# Altium PCB GE21_M1_pku_f100.PcbDoc (part 15 of 19) (continued)
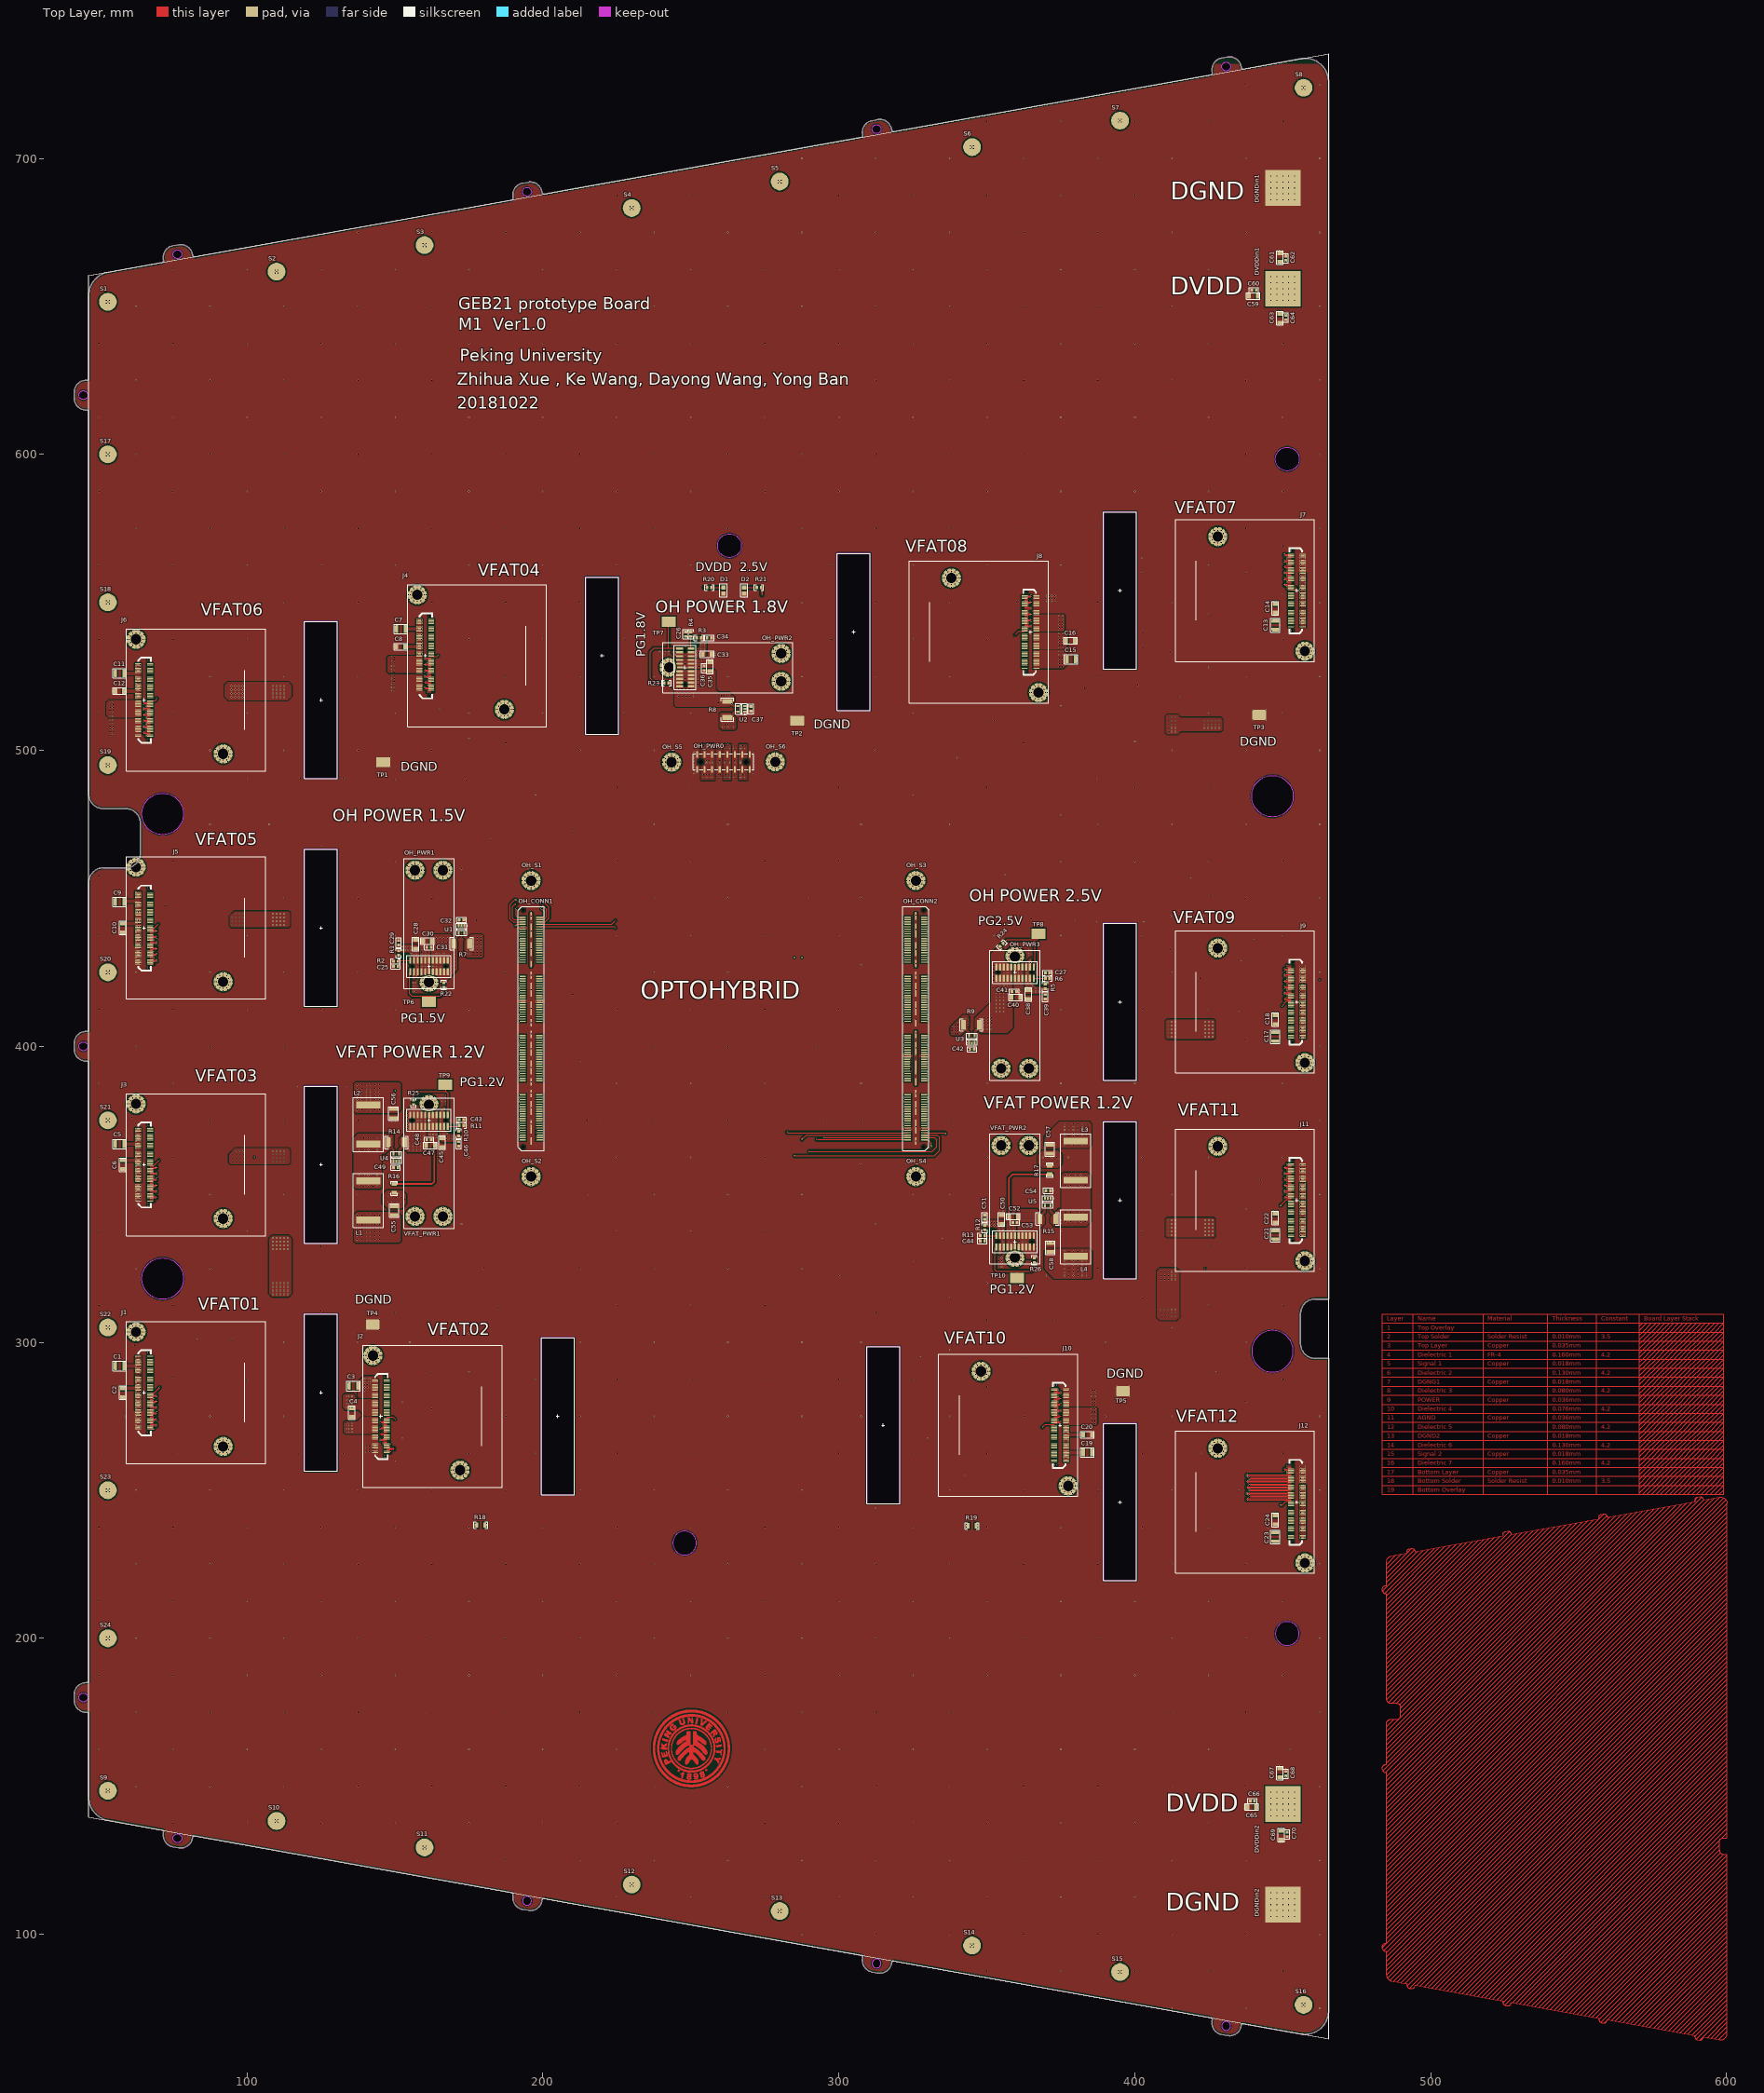
[diagram p0: Top Layer view]
## Nets (pads, with @x,y where several pads share a name; then routed paths per layer and width w, separated by ;. In a path a pad name is that pad's centre, name@x,y a point inside that pad or via, vN(x,y) a via of type N, cw(c..) or ccw(c..) an arc to the next point about the centre after c; other vN are vias at no path point) (continued)
255.563,161.307 ; 254.446,164.355 255.157,164.355 ; 254.446,167.936 254.776,167.936 ; 254.446,169.105 255.157,169.105 ; 254.446,171.746 255.081,171.746 ; 254.471,151.299 256.148,151.299 ; 254.471,161.256 255.563,161.256 ; 254.471,161.282 255.563,161.282 ; 254.471,164.33 255.132,164.33 ; 254.471,171.772 255.106,171.772 ; 254.471,172.864 255.843,172.864 ; 254.471,174.388 256.148,174.388 ; 254.497,152.823 255.843,152.823 ; 254.497,156.608 255.182,156.608 ; 254.497,157.776 254.801,157.776 ; 254.497,161.231 255.563,161.231 ; 254.497,167.911 254.801,167.911 ; 254.497,169.079 255.182,169.079 ; 254.497,171.797 255.132,171.797 ; 254.522,156.633 255.208,156.633 ; 254.522,157.802 254.827,157.802 ; 254.522,161.205 255.563,161.205 ; 254.522,164.304 255.132,164.304 ; 254.522,167.886 254.827,167.886 ; 254.522,169.054 255.208,169.054 ; 254.522,171.823 255.157,171.823 ; 254.547,151.325 256.198,151.325 ; 254.547,152.849 255.894,152.849 ; 254.547,156.659 255.259,156.659 ; 254.547,157.827 254.852,157.827 ; 254.547,161.18 255.538,161.18 ; 254.547,167.86 254.852,167.86 ; 254.547,169.029 255.259,169.029 ; 254.547,171.848 255.182,171.848 ; 254.547,172.839 255.894,172.839 ; 254.547,174.363 256.198,174.363 ; 254.573,157.853 254.878,157.853 ; 254.573,161.155 255.538,161.155 ; 254.573,164.279 255.106,164.279 ; 254.573,167.835 254.878,167.835 ; 254.573,171.873 255.208,171.873 ; 254.598,152.874 255.944,152.874 ; 254.598,156.684 255.284,156.684 ; 254.598,157.878 254.903,157.878 ; 254.598,161.129 255.513,161.129 ; 254.598,167.809 254.903,167.809 ; 254.598,169.003 255.284,169.003 ; 254.598,171.899 255.233,171.899 ; 254.598,172.813 255.919,172.813 ; 254.624,151.35 256.249,151.35 ; 254.624,156.71 255.309,156.71 ; 254.624,157.903 254.928,157.903 ; 254.624,161.104 255.487,161.104 ; 254.624,164.253 255.081,164.253 ; 254.624,167.784 254.928,167.784 ; 254.624,168.978 255.309,168.978 ; 254.624,171.924 255.259,171.924 ; 254.624,174.337 256.249,174.337 ; 254.649,152.9 255.97,152.9 ; 254.649,156.735 255.335,156.735 ; 254.649,157.929 254.979,157.929 ; 254.649,161.078 255.487,161.078 ; 254.649,167.759 254.979,167.759 ; 254.649,168.952 255.335,168.952 ; 254.649,171.95 255.259,171.95 ; 254.649,171.975 255.259,171.975 ; 254.649,172.788 255.97,172.788 ; 254.674,151.376 256.3,151.376 ; 254.674,161.053 255.462,161.053 ; 254.674,164.228 255.055,164.228 ; 254.674,167.733 255.005,167.733 ; 254.674,174.312 256.3,174.312 ; 254.7,156.76 255.36,156.76 ; 254.7,157.954 255.005,157.954 ; 254.7,161.028 255.436,161.028 ; 254.7,167.708 255.03,167.708 ; 254.7,168.927 255.36,168.927 ; 254.7,172 255.132,172 ; 254.725,152.925 256.021,152.925 ; 254.725,156.786 255.411,156.786 ; 254.725,157.98 255.03,157.98 ; 254.725,161.002 255.411,161.002 ; 254.725,168.902 255.411,168.902 ; 254.725,172.026 255.106,172.026 ; 254.725,172.762 256.021,172.762 ; 254.751,151.401 256.351,151.401 ; 254.751,156.811 255.436,156.811 ; 254.751,158.005 255.055,158.005 ; 254.751,160.977 255.386,160.977 ; 254.751,164.203 254.979,164.203 ; 254.751,167.682 255.055,167.682 ; 254.751,172.051 255.055,172.051 ; 254.751,174.286 256.351,174.286 ; 254.776,152.95 256.071,152.95 ; 254.776,158.03 255.081,158.03 ; 254.776,160.951 255.36,160.951 ; 254.776,167.657 255.055,167.657 ; 254.776,168.876 255.436,168.876 ; 254.776,172.077 255.03,172.077 ; 254.776,172.737 256.046,172.737 ; 254.801,151.426 256.402,151.426 ; 254.801,156.837 255.462,156.837 ; 254.801,158.056 255.106,158.056 ; 254.801,160.926 255.335,160.926 ; 254.801,167.632 255.106,167.632 ; 254.801,168.851 255.462,168.851 ; 254.801,172.102 255.005,172.102 ; 254.801,174.261 256.376,174.261 ; 254.827,152.976 256.097,152.976 ; 254.827,156.862 255.487,156.862 ; 254.827,158.081 255.106,158.081 ; 254.827,160.901 255.309,160.901 ; 254.827,167.606 255.106,167.606 ; 254.827,168.825 255.487,168.825 ; 254.827,172.127 254.954,172.127 ; 254.827,172.712 256.097,172.712 ; 254.852,151.452 256.427,151.452 ; 254.852,155.567 255.436,155.567 ; 254.852,155.592 255.411,155.592 ; 254.852,155.617 255.386,155.617 ; 254.852,155.643 255.36,155.643 ; 254.852,156.887 255.513,156.887 ; 254.852,158.107 255.132,158.107 ; 254.852,167.581 255.132,167.581 ; 254.852,168.8 255.513,168.8 ; 254.852,174.236 256.427,174.236 ; 254.878,153.001 256.148,153.001 ; 254.878,155.516 255.436,155.516 ; 254.878,155.541 255.436,155.541 ; 254.878,155.668 255.335,155.668 ; 254.878,158.132 255.157,158.132 ; 254.878,160.875 255.259,160.875 ; 254.878,167.555 255.157,167.555 ; 254.878,172.686 256.148,172.686 ; 254.903,155.465 255.386,155.465 ; 254.903,155.49 255.436,155.49 ; 254.903,156.913 255.538,156.913 ; 254.903,158.157 255.182,158.157 ; 254.903,160.85 255.233,160.85 ; 254.903,167.53 255.182,167.53 ; 254.903,168.775 255.538,168.775 ; 254.928,151.477 256.478,151.477 ; 254.928,153.027 256.173,153.027 ; 254.928,155.44 255.36,155.44 ; 254.928,155.694 255.309,155.694 ; 254.928,156.938 255.563,156.938 ; 254.928,158.183 255.208,158.183 ; 254.928,167.505 255.208,167.505 ; 254.928,168.749 255.563,168.749 ; 254.928,172.661 256.173,172.661 ; 254.928,174.21 256.478,174.21 ; 254.954,155.414 255.309,155.414 ; 254.954,155.719 255.309,155.719 ; 254.954,156.964 255.589,156.964 ; 254.954,158.208 255.233,158.208 ; 254.954,160.824 255.157,160.824 ; 254.954,167.479 255.233,167.479 ; 254.954,168.724 255.589,168.724 ; 254.954,169.867 255.563,169.867 ; 254.954,169.892 255.589,169.892 ; 254.954,169.918 255.614,169.918 ; 254.979,151.503 256.529,151.503 ; 254.979,153.052 256.224,153.052 ; 254.979,155.363 255.259,155.363 ; 254.979,155.389 255.284,155.389 ; 254.979,156.989 255.64,156.989 ; 254.979,158.234 255.259,158.234 ; 254.979,167.454 255.259,167.454 ; 254.979,168.698 255.64,168.698 ; 254.979,169.841 255.563,169.841 ; 254.979,169.943 255.614,169.943 ; 254.979,169.968 255.64,169.968 ; 254.979,172.635 256.224,172.635 ; 254.979,174.185 256.529,174.185 ; 255.005,155.338 255.208,155.338 ; 255.005,155.744 255.284,155.744 ; 255.005,158.259 255.284,158.259 ; 255.005,167.428 255.284,167.428 ; 255.005,169.994 255.665,169.994 ; 255.03,151.528 256.579,151.528 ; 255.03,153.077 256.275,153.077 ; 255.03,155.77 255.284,155.77 ; 255.03,157.014 255.665,157.014 ; 255.03,158.284 255.309,158.284 ; 255.03,167.403 255.309,167.403 ; 255.03,168.673 255.665,168.673 ; 255.03,169.816 255.589,169.816 ; 255.03,170.019 255.69,170.019 ; 255.03,172.61 256.275,172.61 ; 255.03,174.159 256.579,174.159 ; 255.055,155.313 255.157,155.313 ; 255.055,155.795 255.284,155.795 ; 255.055,157.04 255.69,157.04 ; 255.055,158.31 255.335,158.31 ; 255.055,167.378 255.335,167.378 ; 255.055,168.648 255.69,168.648 ; 255.055,169.791 255.589,169.791 ; 255.055,170.045 255.69,170.045 ; 255.081,153.103 256.3,153.103 ; 255.081,157.065 255.716,157.065 ; 255.081,158.335 255.36,158.335 ; 255.081,167.327 255.386,167.327 ; 255.081,167.352 255.36,167.352 ; 255.081,168.622 255.716,168.622 ; 255.081,169.765 255.614,169.765 ; 255.081,170.07 255.716,170.07 ; 255.081,172.585 256.3,172.585 ; 255.106,151.553 256.63,151.553 ; 255.106,155.821 255.259,155.821 ; 255.106,157.091 255.741,157.091 ; 255.106,158.361 255.386,158.361 ; 255.106,158.386 255.386,158.386 ; 255.106,167.301 255.386,167.301 ; 255.106,168.597 255.741,168.597 ; 255.106,170.095 255.741,170.095 ; 255.106,170.121 255.767,170.121 ; 255.106,174.134 256.63,174.134 ; 255.132,153.128 256.351,153.128 ; 255.132,157.116 255.767,157.116 ; 255.132,158.411 255.411,158.411 ; 255.132,167.276 255.411,167.276 ; 255.132,168.571 255.767,168.571 ; 255.132,169.74 255.64,169.74 ; 255.132,170.146 255.792,170.146 ; 255.132,172.559 256.351,172.559 ; 255.157,151.579 256.656,151.579 ; 255.157,158.437 255.436,158.437 ; 255.157,167.251 255.436,167.251 ; 255.157,168.546 255.792,168.546 ; 255.157,169.714 255.69,169.714 ; 255.157,170.172 255.817,170.172 ; 255.157,174.109 256.656,174.109 ; 255.182,153.154 256.376,153.154 ; 255.182,157.141 255.792,157.141 ; 255.182,158.462 255.462,158.462 ; 255.182,167.225 255.462,167.225 ; 255.182,169.689 255.716,169.689 ; 255.182,170.197 255.894,170.197 ; 255.182,172.534 256.376,172.534 ; 255.208,151.604 256.706,151.604 ; 255.208,157.167 255.817,157.167 ; 255.208,158.488 255.487,158.488 ; 255.208,167.2 255.487,167.2 ; 255.208,168.521 255.817,168.521 ; 255.208,169.664 255.741,169.664 ; 255.208,170.222 256.325,170.222 ; 255.208,170.248 256.3,170.248 ; 255.208,174.083 256.706,174.083 ; 255.233,153.179 256.427,153.179 ; 255.233,157.192 255.843,157.192 ; 255.233,158.513 255.513,158.513 ; 255.233,167.174 255.513,167.174 ; 255.233,168.495 255.843,168.495 ; 255.233,170.273 256.275,170.273 ; 255.233,172.508 256.427,172.508 ; 255.259,151.63 256.757,151.63 ; 255.259,157.218 255.868,157.218 ; 255.259,158.538 255.513,158.538 ; 255.259,158.564 255.538,158.564 ; 255.259,167.124 255.538,167.124 ; 255.259,167.149 255.513,167.149 ; 255.259,168.47 255.868,168.47 ; 255.259,169.638 255.767,169.638 ; 255.259,170.299 256.249,170.299 ; 255.259,172.483 256.452,172.483 ; 255.259,174.058 256.757,174.058 ; 255.284,153.204 256.452,153.204 ; 255.284,157.243 255.894,157.243 ; 255.284,158.589 255.563,158.589 ; 255.284,167.098 255.563,167.098 ; 255.284,168.444 255.894,168.444 ; 255.284,169.613 255.792,169.613 ; 255.284,170.324 256.224,170.324 ; 255.309,151.655 256.783,151.655 ; 255.309,157.268 255.919,157.268 ; 255.309,158.615 255.589,158.615 ; 255.309,167.073 255.589,167.073 ; 255.309,168.419 255.919,168.419 ; 255.309,169.587 255.843,169.587 ; 255.309,170.349 256.173,170.349 ; 255.309,172.458 256.503,172.458 ; 255.335,153.23 256.503,153.23 ; 255.335,157.294 255.944,157.294 ; 255.335,158.64 255.614,158.64 ; 255.335,167.047 255.589,167.047 ; 255.335,168.394 255.944,168.394 ; 255.335,169.562 255.868,169.562 ; 255.335,170.375 256.148,170.375 ; 255.335,170.4 256.122,170.4 ; 255.335,174.032 256.783,174.032 ; 255.36,153.255 256.529,153.255 ; 255.36,157.319 255.97,157.319 ; 255.36,158.665 255.614,158.665 ; 255.36,158.691 255.64,158.691 ; 255.36,167.022 255.614,167.022 ; 255.36,168.368 255.97,168.368 ; 255.36,169.537 255.894,169.537 ; 255.36,170.426 256.097,170.426 ; 255.36,172.432 256.529,172.432 ; 255.386,151.68 256.833,151.68 ; 255.386,157.345 255.995,157.345 ; 255.386,158.716 255.665,158.716 ; 255.386,166.971 255.665,166.971 ; 255.386,166.997 255.64,166.997 ; 255.386,168.343 255.995,168.343 ; 255.386,170.451 256.097,170.451 ; 255.386,174.007 256.833,174.007 ; 255.411,153.281 256.579,153.281 ; 255.411,157.37 256.021,157.37 ; 255.411,158.742 255.665,158.742 ; 255.411,166.946 255.665,166.946 ; 255.411,168.317 256.021,168.317 ; 255.411,169.511 255.919,169.511 ; 255.411,170.476 256.097,170.476 ; 255.411,172.407 256.579,172.407 ; 255.436,151.706 256.884,151.706 ; 255.436,157.395 256.046,157.395 ; 255.436,158.767 255.69,158.767 ; 255.436,166.92 255.69,166.92 ; 255.436,168.292 256.046,168.292 ; 255.436,169.486 255.944,169.486 ; 255.436,170.502 256.097,170.502 ; 255.436,170.527 256.097,170.527 ; 255.436,173.982 256.884,173.982 ; 255.462,153.306 256.605,153.306 ; 255.462,157.421 256.046,157.421 ; 255.462,158.792 255.716,158.792 ; 255.462,166.895 255.716,166.895 ; 255.462,168.267 256.046,168.267 ; 255.462,169.46 255.97,169.46 ; 255.462,170.553 256.122,170.553 ; 255.462,172.381 256.605,172.381 ; 255.487,151.731 256.91,151.731 ; 255.487,157.446 256.071,157.446 ; 255.487,158.818 255.741,158.818 ; 255.487,158.843 255.767,158.843 ; 255.487,166.844 255.767,166.844 ; 255.487,166.87 255.741,166.87 ; 255.487,168.241 256.071,168.241 ; 255.487,169.435 256.021,169.435 ; 255.487,170.578 256.148,170.578 ; 255.487,173.956 256.91,173.956 ; 255.513,153.331 256.656,153.331 ; 255.513,157.472 256.097,157.472 ; 255.513,158.869 255.767,158.869 ; 255.513,166.819 255.767,166.819 ; 255.513,168.216 256.097,168.216 ; 255.513,169.41 256.046,169.41 ; 255.513,170.603 256.173,170.603 ; 255.513,172.356 256.656,172.356 ; 255.538,151.757 256.96,151.757 ; 255.538,157.497 256.122,157.497 ; 255.538,158.894 255.792,158.894 ; 255.538,166.768 255.817,166.768 ; 255.538,166.793 255.792,166.793 ; 255.538,168.19 256.122,168.19 ; 255.538,170.629 256.173,170.629 ; 255.538,173.931 256.96,173.931 ; 255.563,153.357 256.681,153.357 ; 255.563,157.522 256.148,157.522 ; 255.563,158.919 255.817,158.919 ; 255.563,158.945 255.817,158.945 ; 255.563,166.743 255.817,166.743 ; 255.563,168.165 256.148,168.165 ; 255.563,169.384 256.071,169.384 ; 255.563,170.654 256.198,170.654 ; 255.563,170.68 256.224,170.68 ; 255.563,172.331 256.681,172.331 ; 255.589,151.782 257.011,151.782 ; 255.589,153.382 256.732,153.382 ; 255.589,157.548 256.173,157.548 ; 255.589,158.97 255.843,158.97 ; 255.589,166.717 255.843,166.717 ; 255.589,168.14 256.173,168.14 ; 255.589,169.359 256.097,169.359 ; 255.589,170.705 256.249,170.705 ; 255.589,172.305 256.732,172.305 ; 255.589,173.905 257.011,173.905 ; 255.614,157.573 256.198,157.573 ; 255.614,158.996 255.868,158.996 ; 255.614,159.021 255.894,159.021 ; 255.614,166.666 255.894,166.666 ; 255.614,166.692 255.868,166.692 ; 255.614,168.114 256.198,168.114 ; 255.614,169.333 256.122,169.333 ; 255.614,170.73 256.249,170.73 ; 255.64,151.807 257.037,151.807 ; 255.64,153.408 256.757,153.408 ; 255.64,157.599 256.224,157.599 ; 255.64,159.046 255.894,159.046 ; 255.64,166.641 255.894,166.641 ; 255.64,168.089 256.224,168.089 ; 255.64,169.308 256.173,169.308 ; 255.64,170.756 256.325,170.756 ; 255.64,172.28 256.757,172.28 ; 255.64,173.88 257.037,173.88 ; 255.665,157.624 256.249,157.624 ; 255.665,159.072 255.919,159.072 ; 255.665,166.59 255.919,166.59 ; 255.665,166.616 255.919,166.616 ; 255.665,168.063 256.249,168.063 ; 255.665,169.283 256.198,169.283 ; 255.665,170.781 256.833,170.781 ; 255.69,151.833 257.087,151.833 ; 255.69,153.433 256.808,153.433 ; 255.69,157.649 256.249,157.649 ; 255.69,159.097 255.919,159.097 ; 255.69,159.123 255.944,159.123 ; 255.69,166.565 255.944,166.565 ; 255.69,168.038 256.249,168.038 ; 255.69,170.807 256.808,170.807 ; 255.69,170.832 256.783,170.832 ; 255.69,172.254 256.808,172.254 ; 255.69,173.855 257.087,173.855 ; 255.716,153.458 256.833,153.458 ; 255.716,157.675 256.275,157.675 ; 255.716,159.148 255.97,159.148 ; 255.716,159.173 255.97,159.173 ; 255.716,166.514 255.97,166.514 ; 255.716,166.539 255.97,166.539 ; 255.716,168.013 256.275,168.013 ; 255.716,169.257 256.224,169.257 ; 255.716,170.857 256.757,170.857 ; 255.716,172.229 256.833,172.229 ; 255.741,151.858 257.113,151.858 ; 255.741,157.7 256.3,157.7 ; 255.741,159.199 255.995,159.199 ; 255.741,166.489 255.995,166.489 ; 255.741,167.987 256.3,167.987 ; 255.741,169.232 256.249,169.232 ; 255.741,170.883 256.706,170.883 ; 255.741,173.829 257.113,173.829 ; 255.767,153.484 256.884,153.484 ; 255.767,157.726 256.325,157.726 ; 255.767,159.224 256.021,159.224 ; 255.767,159.25 256.021,159.25 ; 255.767,166.438 256.021,166.438 ; 255.767,166.463 256.021,166.463 ; 255.767,167.962 256.325,167.962 ; 255.767,169.206 256.275,169.206 ; 255.767,170.908 256.681,170.908 ; 255.767,172.204 256.884,172.204 ; 255.792,151.884 257.164,151.884 ; 255.792,157.751 256.351,157.751 ; 255.792,159.275 256.046,159.275 ; 255.792,166.412 256.046,166.412 ; 255.792,167.936 256.351,167.936 ; 255.792,169.181 256.3,169.181 ; 255.792,170.934 256.656,170.934 ; 255.792,173.804 257.164,173.804 ; 255.817,153.509 256.91,153.509 ; 255.817,157.776 256.376,157.776 ; 255.817,159.3 256.046,159.3 ; 255.817,159.326 256.071,159.326 ; 255.817,166.362 256.071,166.362 ; 255.817,166.387 256.046,166.387 ; 255.817,167.911 256.376,167.911 ; 255.817,169.156 256.325,169.156 ; 255.817,170.959 256.63,170.959 ; 255.817,170.984 256.605,170.984 ; 255.817,172.178 256.91,172.178 ; 255.843,151.909 257.214,151.909 ; 255.843,157.802 256.402,157.802 ; 255.843,159.351 256.097,159.351 ; 255.843,166.336 256.097,166.336 ; 255.843,167.886 256.376,167.886 ; 255.843,169.13 256.325,169.13 ; 255.843,171.01 256.579,171.01 ; 255.843,172.153 256.935,172.153 ; 255.843,173.778 257.214,173.778 ; 255.868,153.535 256.935,153.535 ; 255.868,157.827 256.402,157.827 ; 255.868,157.853 256.427,157.853 ; 255.868,159.377 256.097,159.377 ; 255.868,159.402 256.122,159.402 ; 255.868,166.285 256.122,166.285 ; 255.868,166.311 256.097,166.311 ; 255.868,167.835 256.427,167.835 ; 255.868,167.86 256.402,167.86 ; 255.868,169.105 256.325,169.105 ; 255.868,171.035 256.529,171.035 ; 255.894,151.934 257.24,151.934 ; 255.894,153.56 256.986,153.56 ; 255.894,157.878 256.452,157.878 ; 255.894,159.427 256.122,159.427 ; 255.894,159.453 256.148,159.453 ; 255.894,166.235 256.148,166.235 ; 255.894,166.26 256.122,166.26 ; 255.894,167.809 256.452,167.809 ; 255.894,171.061 256.503,171.061 ; 255.894,172.127 256.986,172.127 ; 255.894,173.753 257.24,173.753 ; 255.919,157.903 256.478,157.903 ; 255.919,159.478 256.173,159.478 ; 255.919,166.209 256.148,166.209 ; 255.919,167.784 256.478,167.784 ; 255.919,169.079 256.325,169.079 ; 255.919,170.197 256.376,170.197 ; 255.919,171.086 256.478,171.086 ; 255.919,171.111 256.452,171.111 ; 255.944,151.96 257.291,151.96 ; 255.944,153.585 257.011,153.585 ; 255.944,157.929 256.478,157.929 ; 255.944,159.504 256.173,159.504 ; 255.944,159.529 256.198,159.529 ; 255.944,166.158 256.198,166.158 ; 255.944,166.184 256.173,166.184 ; 255.944,167.759 256.478,167.759 ; 255.944,169.054 256.3,169.054 ; 255.944,170.172 256.402,170.172 ; 255.944,171.137 256.427,171.137 ; 255.944,172.102 257.011,172.102 ; 255.944,173.728 257.291,173.728 ; 255.97,153.611 257.037,153.611 ; 255.97,157.954 256.503,157.954 ; 255.97,159.554 256.198,159.554 ; 255.97,159.58 256.224,159.58 ; 255.97,166.108 256.224,166.108 ; 255.97,166.133 256.198,166.133 ; 255.97,167.733 256.503,167.733 ; 255.97,169.029 256.275,169.029 ; 255.97,170.146 256.427,170.146 ; 255.97,171.162 256.376,171.162 ; 255.97,172.077 257.037,172.077 ; 255.995,151.985 257.316,151.985 ; 255.995,157.98 256.529,157.98 ; 255.995,159.605 256.224,159.605 ; 255.995,159.631 256.249,159.631 ; 255.995,166.057 256.249,166.057 ; 255.995,166.082 256.224,166.082 ; 255.995,167.708 256.529,167.708 ; 255.995,169.003 256.249,169.003 ; 255.995,170.121 256.452,170.121 ; 255.995,171.188 256.351,171.188 ; 255.995,173.702 257.316,173.702 ; 256.021,153.636 257.087,153.636 ; 256.021,158.005 256.554,158.005 ; 256.021,158.03 256.554,158.03 ; 256.021,159.656 256.249,159.656 ; 256.021,159.681 256.275,159.681 ; 256.021,166.006 256.275,166.006 ; 256.021,166.031 256.249,166.031 ; 256.021,167.657 256.554,167.657 ; 256.021,167.682 256.554,167.682 ; 256.021,168.978 256.198,168.978 ; 256.021,170.095 256.478,170.095 ; 256.021,171.213 256.325,171.213 ; 256.021,171.238 256.3,171.238 ; 256.021,172.051 257.087,172.051 ; 256.046,152.011 257.367,152.011 ; 256.046,153.662 257.113,153.662 ; 256.046,158.056 256.579,158.056 ; 256.046,159.707 256.275,159.707 ; 256.046,165.955 256.3,165.955 ; 256.046,165.981 256.275,165.981 ; 256.046,167.632 256.579,167.632 ; 256.046,168.952 256.173,168.952 ; 256.046,170.07 256.529,170.07 ; 256.046,171.264 256.275,171.264 ; 256.046,172.026 257.113,172.026 ; 256.046,173.677 257.367,173.677 ; 256.071,158.081 256.605,158.081 ; 256.071,159.732 256.3,159.732 ; 256.071,159.758 256.3,159.758 ; 256.071,159.783 256.325,159.783 ; 256.071,165.93 256.3,165.93 ; 256.071,167.606 256.605,167.606 ; 256.071,170.045 256.554,170.045 ; 256.071,171.289 256.249,171.289 ; 256.071,173.651 257.392,173.651 ; 256.097,152.036 257.392,152.036 ; 256.097,153.687 257.138,153.687 ; 256.097,158.107 256.63,158.107 ; 256.097,159.808 256.325,159.808 ; 256.097,165.879 256.325,165.879 ; 256.097,165.904 256.325,165.904 ; 256.097,167.555 256.63,167.555 ; 256.097,167.581 256.63,167.581 ; 256.097,168.927 256.148,168.927 ; 256.097,170.019 256.579,170.019 ; 256.097,171.315 256.198,171.315 ; 256.097,172 257.138,172 ; 256.122,152.061 257.443,152.061 ; 256.122,158.132 256.63,158.132 ; 256.122,158.157 256.656,158.157 ; 256.122,159.834 256.351,159.834 ; 256.122,159.859 256.351,159.859 ; 256.122,165.828 256.351,165.828 ; 256.122,165.854 256.351,165.854 ; 256.122,167.53 256.656,167.53 ; 256.122,169.994 256.605,169.994 ; 256.122,171.34 256.173,171.34 ; 256.122,171.975 257.164,171.975 ; 256.122,173.626 257.443,173.626 ; 256.148,153.712 257.164,153.712 ; 256.148,158.183 256.681,158.183 ; 256.148,159.885 256.376,159.885 ; 256.148,159.91 256.376,159.91 ; 256.148,165.777 256.376,165.777 ; 256.148,165.803 256.376,165.803 ; 256.148,167.505 256.681,167.505 ; 256.173,152.087 257.468,152.087 ; 256.173,153.738 257.214,153.738 ; 256.173,158.208 256.706,158.208 ; 256.173,159.935 256.402,159.935 ; 256.173,159.961 256.402,159.961 ; 256.173,165.727 256.402,165.727 ; 256.173,165.752 256.402,165.752 ; 256.173,167.479 256.706,167.479 ; 256.173,169.968 256.63,169.968 ; 256.173,171.95 257.214,171.95 ; 256.173,173.601 257.468,173.601 ; 256.198,153.763 257.24,153.763 ; 256.198,158.234 256.706,158.234 ; 256.198,159.986 256.427,159.986 ; 256.198,160.012 256.427,160.012 ; 256.198,165.676 256.427,165.676 ; 256.198,165.701 256.427,165.701 ; 256.198,167.454 256.706,167.454 ; 256.198,169.943 256.681,169.943 ; 256.224,152.112 257.519,152.112 ; 256.224,158.259 256.732,158.259 ; 256.224,158.284 256.757,158.284 ; 256.224,160.037 256.452,160.037 ; 256.224,160.062 256.452,160.062 ; 256.224,160.088 256.452,160.088 ; 256.224,165.6 256.478,165.6 ; 256.224,165.625 256.452,165.625 ; 256.224,165.65 256.452,165.65 ; 256.224,167.403 256.757,167.403 ; 256.224,167.428 256.732,167.428 ; 256.224,169.918 256.706,169.918 ; 256.224,171.924 257.24,171.924 ; 256.224,173.575 257.494,173.575 ; 256.249,153.789 257.265,153.789 ; 256.249,158.31 256.757,158.31 ; 256.249,160.113 256.478,160.113 ; 256.249,160.139 256.478,160.139 ; 256.249,165.549 256.478,165.549 ; 256.249,165.574 256.478,165.574 ; 256.249,167.378 256.783,167.378 ; 256.249,171.899 257.265,171.899 ; 256.275,152.138 257.545,152.138 ; 256.275,153.814 257.316,153.814 ; 256.275,158.335 256.783,158.335 ; 256.275,158.361 256.808,158.361 ; 256.275,160.164 256.503,160.164 ; 256.275,160.189 256.503,160.189 ; 256.275,165.498 256.503,165.498 ; 256.275,165.523 256.503,165.523 ; 256.275,167.327 256.808,167.327 ; 256.275,167.352 256.783,167.352 ; 256.275,169.892 256.732,169.892 ; 256.275,173.55 257.545,173.55 ; 256.3,152.163 257.595,152.163 ; 256.3,158.386 256.833,158.386 ; 256.3,160.215 256.529,160.215 ; 256.3,160.24 256.529,160.24 ; 256.3,165.447 256.529,165.447 ; 256.3,165.473 256.529,165.473 ; 256.3,167.301 256.833,167.301 ; 256.3,169.867 256.757,169.867 ; 256.3,171.873 257.316,171.873 ; 256.3,173.524 257.57,173.524 ; 256.325,153.839 257.341,153.839 ; 256.325,158.411 256.833,158.411 ; 256.325,160.266 256.529,160.266 ; 256.325,160.291 256.554,160.291 ; 256.325,165.371 256.554,165.371 ; 256.325,165.396 256.554,165.396 ; 256.325,165.422 256.529,165.422 ; 256.325,167.276 256.833,167.276 ; 256.325,169.841 256.757,169.841 ; 256.325,171.848 257.341,171.848 ; 256.351,152.188 257.621,152.188 ; 256.351,153.865 257.367,153.865 ; 256.351,158.437 256.859,158.437 ; 256.351,158.462 256.884,158.462 ; 256.351,160.316 256.554,160.316 ; 256.351,160.342 256.579,160.342 ; 256.351,160.367 256.579,160.367 ; 256.351,165.32 256.579,165.32 ; 256.351,165.346 256.579,165.346 ; 256.351,167.225 256.884,167.225 ; 256.351,167.251 256.859,167.251 ; 256.351,171.823 257.367,171.823 ; 256.351,173.499 257.621,173.499 ; 256.376,158.488 256.884,158.488 ; 256.376,160.393 256.579,160.393 ; 256.376,160.418 256.605,160.418 ; 256.376,160.443 256.605,160.443 ; 256.376,165.244 256.605,165.244 ; 256.376,165.269 256.605,165.269 ; 256.376,165.295 256.579,165.295 ; 256.376,167.2 256.884,167.2 ; 256.376,169.816 256.757,169.816 ; 256.376,170.756 256.884,170.756 ; 256.402,152.214 257.646,152.214 ; 256.402,153.89 257.392,153.89 ; 256.402,158.513 256.91,158.513 ; 256.402,160.469 256.63,160.469 ; 256.402,160.494 256.63,160.494 ; 256.402,165.193 256.63,165.193 ; 256.402,165.219 256.63,165.219 ; 256.402,167.174 256.91,167.174 ; 256.402,169.791 256.732,169.791 ; 256.402,170.73 256.91,170.73 ; 256.402,171.797 257.392,171.797 ; 256.402,173.474 257.646,173.474 ; 256.427,152.239 257.697,152.239 ; 256.427,153.916 257.443,153.916 ; 256.427,158.538 256.91,158.538 ; 256.427,158.564 256.935,158.564 ; 256.427,160.52 256.63,160.52 ; 256.427,160.545 256.656,160.545 ; 256.427,160.57 256.656,160.57 ; 256.427,165.117 256.656,165.117 ; 256.427,165.142 256.656,165.142 ; 256.427,165.168 256.63,165.168 ; 256.427,167.124 256.935,167.124 ; 256.427,167.149 256.935,167.149 ; 256.427,170.705 256.935,170.705 ; 256.427,171.772 257.443,171.772 ; 256.427,173.448 257.697,173.448 ; 256.452,158.589 256.96,158.589 ; 256.452,160.596 256.656,160.596 ; 256.452,160.621 256.681,160.621 ; 256.452,160.647 256.681,160.647 ; 256.452,165.041 256.681,165.041 ; 256.452,165.066 256.681,165.066 ; 256.452,165.092 256.656,165.092 ; 256.452,167.098 256.96,167.098 ; 256.452,169.765 256.732,169.765 ; 256.478,152.265 257.722,152.265 ; 256.478,153.941 257.468,153.941 ; 256.478,158.615 256.96,158.615 ; 256.478,158.64 256.986,158.64 ; 256.478,160.672 256.681,160.672 ; 256.478,160.697 256.706,160.697 ; 256.478,160.723 256.706,160.723 ; 256.478,164.965 256.706,164.965 ; 256.478,164.99 256.706,164.99 ; 256.478,165.015 256.681,165.015 ; 256.478,167.047 256.986,167.047 ; 256.478,167.073 256.96,167.073 ; 256.478,169.74 256.706,169.74 ; 256.478,170.68 256.96,170.68 ; 256.478,171.746 257.468,171.746 ; 256.478,173.423 257.722,173.423 ; 256.503,153.966 257.494,153.966 ; 256.503,158.665 257.011,158.665 ; 256.503,160.748 256.706,160.748 ; 256.503,160.774 256.732,160.774 ; 256.503,160.799 256.732,160.799 ; 256.503,164.888 256.732,164.888 ; 256.503,164.914 256.732,164.914 ; 256.503,164.939 256.706,164.939 ; 256.503,167.022 257.011,167.022 ; 256.503,169.714 256.681,169.714 ; 256.503,170.654 256.986,170.654 ; 256.503,171.721 257.494,171.721 ; 256.529,152.29 257.773,152.29 ; 256.529,158.691 257.011,158.691 ; 256.529,158.716 257.037,158.716 ; 256.529,160.824 256.732,160.824 ; 256.529,160.85 256.757,160.85 ; 256.529,160.875 256.757,160.875 ; 256.529,164.812 256.757,164.812 ; 256.529,164.838 256.757,164.838 ; 256.529,164.863 256.732,164.863 ; 256.529,166.971 257.037,166.971 ; 256.529,166.997 257.011,166.997 ; 256.529,169.689 256.656,169.689 ; 256.529,170.629 257.011,170.629 ; 256.529,173.397 257.773,173.397 ; 256.554,152.315 257.799,152.315 ; 256.554,153.992 257.519,153.992 ; 256.554,158.742 257.037,158.742 ; 256.554,160.901 256.757,160.901 ; 256.554,160.926 256.783,160.926 ; 256.554,160.951 256.783,160.951 ; 256.554,164.736 256.783,164.736 ; 256.554,164.761 256.783,164.761 ; 256.554,164.787 256.757,164.787 ; 256.554,166.946 257.037,166.946 ; 256.554,170.603 257.037,170.603 ; 256.554,171.696 257.519,171.696 ; 256.554,173.372 257.799,173.372 ; 256.579,154.017 257.57,154.017 ; 256.579,158.767 257.062,158.767 ; 256.579,158.792 257.087,158.792 ; 256.579,160.977 256.783,160.977 ; 256.579,161.002 256.783,161.002 ; 256.579,161.028 256.808,161.028 ; 256.579,161.053 256.808,161.053 ; 256.579,164.634 256.808,164.634 ; 256.579,164.66 256.808,164.66 ; 256.579,164.685 256.783,164.685 ; 256.579,164.711 256.783,164.711 ; 256.579,166.895 257.087,166.895 ; 256.579,166.92 257.062,166.92 ; 256.579,169.664 256.63,169.664 ; 256.579,170.578 257.062,170.578 ; 256.579,171.67 257.57,171.67 ; 256.605,152.341 257.824,152.341 ; 256.605,154.043 257.595,154.043 ; 256.605,158.818 257.087,158.818 ; 256.605,158.843 257.113,158.843 ; 256.605,161.078 256.808,161.078 ; 256.605,161.104 256.808,161.104 ; 256.605,161.129 256.833,161.129 ; 256.605,161.155 256.833,161.155 ; 256.605,164.533 256.833,164.533 ; 256.605,164.558 256.833,164.558 ; 256.605,164.584 256.833,164.584 ; 256.605,164.609 256.808,164.609 ; 256.605,166.844 257.113,166.844 ; 256.605,166.87 257.087,166.87 ; 256.605,171.645 257.595,171.645 ; 256.605,173.347 257.824,173.347 ; 256.63,158.869 257.113,158.869 ; 256.63,161.18 256.833,161.18 ; 256.63,161.205 256.859,161.205 ; 256.63,161.231 256.859,161.231 ; 256.63,161.256 256.859,161.256 ; 256.63,164.431 256.859,164.431 ; 256.63,164.457 256.859,164.457 ; 256.63,164.482 256.859,164.482 ; 256.63,164.507 256.833,164.507 ; 256.63,166.819 257.113,166.819 ; 256.63,170.553 257.113,170.553 ; 256.656,152.366 257.875,152.366 ; 256.656,154.068 257.621,154.068 ; 256.656,158.894 257.138,158.894 ; 256.656,158.919 257.138,158.919